# KiCad board BB3plus CM5 STM32H7 module.kicad_pcb (continued)
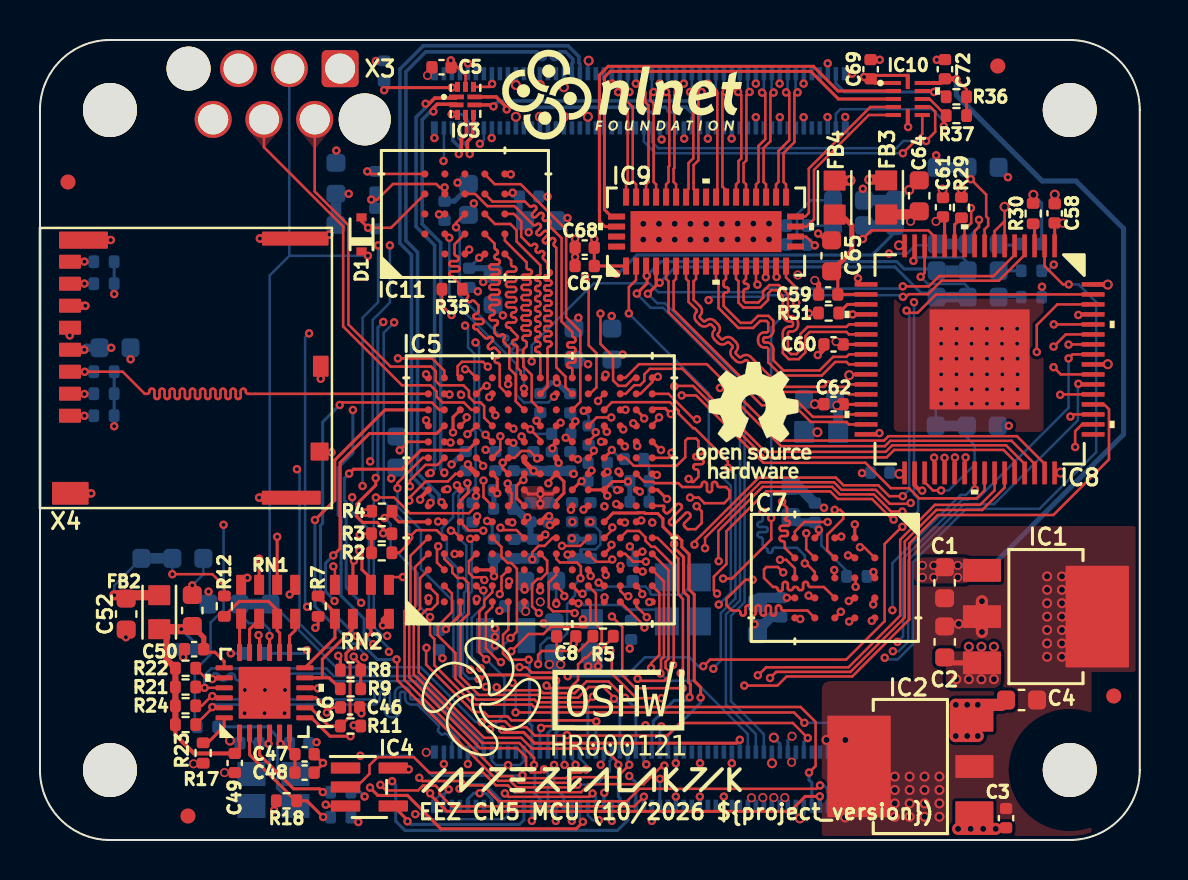
[diagram p0: board, top side]
## Footprints (pads in the part's own frame, mm; a bottom-side part is the same pattern mirrored in y, then rotated) (continued)
TQFN-10
  rect 0.75x0.236 smd: 1(-0.45,0.2)
  rect 0.7x0.236 smd: 2(-0.45,-0.2) 6(0.45,-0.2) 7(0.45,0.2)
  rect 0.25x0.5 smd: 3(-0.4,-0.7) 4(0,-0.7) 5(0.4,-0.7) 8(0.4,0.7) 9(0,0.7) 10(-0.4,0.7)
WR-WST_490107670612_DEBUG_no frame
  round 2.2 hole 2.2 unplated: (-7.58,0)
  round 2.6 hole 2.6 unplated: (1.23,-2.54)
  rrect 1.85x1.85 hole 1.5: 1(0,0)
  round 1.85 hole 1.5: 2(-1.27,-2.54) 3(-2.54,0) 4(-3.81,-2.54) 5(-5.08,0) 6(-6.35,-2.54)
XQFN12_SOT1174-1_NEX-L
  rect 0.762x0.203 smd: 1(-0.724,0.8) 2(-0.724,0.4) 3(-0.724,0) 4(-0.724,-0.4) 5(-0.724,-0.8) 7(0.724,-0.8) 8(0.724,-0.4) 9(0.724,0) 10(0.724,0.4) 11(0.724,0.8)
  rect 0.203x0.762 smd: 6(0,-0.876) 12(0,0.876)
XTAL_403C11A24M00000
  rect 1.2x1.4 smd: 1(-0.8,1.1) 2(-0.8,-1.1) 3(0.8,-1.1) 4(0.8,1.1)

## Nets
+1V8: C4.2 C34.1 C35.1 C36.1 C37.1 C38.1 C39.1 C40.1 C41.1 C42.1 C54.1 C55.1 C56.1 C57.1 C70.1 C71.1 C73.1 C74.1 C75.1 C76.1 IC2.3 IC5.H12 IC5.J11 IC5.K12 IC5.L8 IC5.L10 IC5.M8 IC5.M10 IC7.D1 IC7.E4 IC11.B4 IC11.D1 IC11.E4 R19.2 R34.2 R35.2 R38.2 X1.88 X1.90
+3V3: C2.2 C3.1 C5.2 C9.1 C10.1 C11.1 C13.1 C14.1 C17.1 C18.1 C20.1 C21.1 C23.1 C25.1 C26.1 C29.1 C30.1 C32.1 C33.1 C45.2 C46.1 C52.1 C67.1 C68.1 C69.2 FB1.2 FB2.1 FB3.2 FB4.2 FB5.2 IC1.3 IC2.1 IC3.9 IC4.5 IC5.D9 IC5.F7 IC5.F8 IC5.F9 IC5.F10 IC5.G6 IC5.H6 IC5.H10 IC5.J6 IC5.K5 IC5.K6 IC5.K8 IC5.K10 IC5.L9 IC6.9 IC9.1 IC9.16 IC10.1 IC10.12 JP1.NO JP4.NC JP8.NO JP9.NO JP10.NO R2.2 R3.2 R5.2 R7.2 R8.1 R9.2 R10.1 R11.2 R13.1 R14.1 R15.1 R16.1 R28.2 R29.1 R30.2 R32.2 R33.2 X1.84 X1.86 X4.4
+5V: C1.2 C72.2 IC1.1 IC10.11 R36.2 R37.2 X1.77 X1.79 X1.81 X1.83 X1.85 X1.87
/DVID converter, NOR Flash/1V8_RST: D1.A IC11.A4 R34.1
/DVID converter, NOR Flash/DVDD: C58.1 C61.1 C63.1 C64.1 FB3.1 IC8.1 IC8.12 IC8.33
/DVID converter, NOR Flash/PVDD: C59.1 C65.2 FB4.1 IC8.18
/Ethernet PHY, PSRAM, SDcard/+3V3_LAN: C49.1 C50.1 C51.1 C53.2 FB2.2 IC6.1 IC6.19 R21.1 R22.1 R23.1 R24.2
/STM32H7 MCU/VDD_SDC: C15.2 C16.1 C19.1 C22.1 C27.1 C28.2 IC5.D8 IC5.E6 IC5.F11 IC5.G2 IC5.G7 IC5.G9 IC5.J7 IC5.J9 IC5.K11 IC5.L7 L1.1
/STM32H7 MCU/VDDSMPS: C12.2 FB1.1 IC5.H1
GND: C1.1 C2.1 C3.2 C4.1 C5.1 C6.1 C7.1 C8.2 C9.2 C10.2 C11.2 C12.1 C13.2 C14.2 C15.1 C16.2 C17.2 C18.2 C19.2 C20.2 C21.2 C22.2 C23.2 C24.2 C25.2 C26.2 C27.2 C28.1 C31.2 C34.2 C35.2 C36.2 C37.2 C38.2 C39.2 C40.2 C41.2 C42.2 C43.1 C44.1 C45.1 C46.2 C47.2 C48.1 C49.2 C50.2 C51.2 C52.2 C53.1 C54.2 C55.2 C56.2 C57.2 C58.2 C59.2 C60.2 C61.2 C62.2 C63.2 C64.2 C65.1 C66.1 C67.2 C68.2 C69.1 C70.2 C71.2 C72.1 C73.2 C74.2 C75.2 C76.2 IC1.2 IC1.4 IC2.2 IC2.4 IC3.3 IC3.8 IC4.3 IC5.A1 IC5.A8 IC5.A11 IC5.A15 IC5.D3 IC5.D6 IC5.E3 IC5.E8 IC5.E9 IC5.F6 IC5.F15 IC5.G8 IC5.G10 IC5.G12 IC5.H2 IC5.H7 IC5.H8 IC5.H9 IC5.H11 IC5.J1 IC5.J8 IC5.J10 IC5.J12 IC5.J15 IC5.K7 IC5.K9 IC5.L6 IC5.L11 IC5.L13 IC5.M7 IC5.M9 IC5.M15 IC5.N8 IC5.N13 IC5.P14 IC5.R1 IC5.R6 IC5.R9 IC5.R12 IC5.R15 IC6.25 IC7.C1 IC7.E5 IC8.6 IC8.7 IC8.16 IC8.17 IC8.20 IC8.26 IC8.32 IC8.34 IC8.48 IC8.56 IC8.64 IC8.65 IC9.43 IC10.6 IC11.B3 IC11.C1 IC11.E5 JP1.NC JP4.NO JP8.NC JP9.NC JP10.NC NT1.1 NT2.1 R4.2 R6.2 R17.2 R18.2 R26.2 R27.2 X1.1 X1.2 X1.7 X1.8 X1.13 X1.14 X1.22 X1.23 X1.32 X1.33 X1.42 X1.43 X1.52 X1.53 X1.59 X1.60 X1.65 X1.66 X1.71 X1.74 X1.89 X1.91 X1.98 X1.SH X2.107 X2.108 X2.113 X2.114 X2.119 X2.120 X2.125 X2.126 X2.131 X2.132 X2.137 X2.138 X2.144 X2.150 X2.155 X2.156 X2.161 X2.162 X2.167 X2.168 X2.173 X2.174 X2.179 X2.180 X2.185 X2.186 X2.191 X2.192 X2.197 X2.198 X2.SH X3.5 X4.6 X4.SH X4.SW2
+VAUX: C31.1 IC5.C1 X1.76
/CM5 socket/USB2+: IC3.5 X2.105
/CM5 socket/USB2-: IC3.4 X2.103
/CM5 socket/USB3_1_D+: IC3.7 X2.163
/CM5 socket/USB3_1_D-: IC3.6 X2.165
/DVID converter, NOR Flash/TVDD: C60.1 C62.1 C66.2 FB5.1 IC8.23 IC8.29 R31.2
/DVID converter, NOR Flash/TX0+: IC8.25 IC9.10
/DVID converter, NOR Flash/TX0-: IC8.24 IC9.11
/DVID converter, NOR Flash/TX1+: IC8.28 IC9.7
/DVID converter, NOR Flash/TX1-: IC8.27 IC9.8
/DVID converter, NOR Flash/TX2+: IC8.31 IC9.5
/DVID converter, NOR Flash/TX2-: IC8.30 IC9.6
/DVID converter, NOR Flash/TXC+: IC8.22 IC9.12
/DVID converter, NOR Flash/TXC-: IC8.21 IC9.13
/STM32H7 MCU/JTAG_SWCLK: IC5.D13 X3.4
/STM32H7 MCU/JTAG_SWDIO: IC5.E12 X3.2
/STM32H7 MCU/RCC_OSC_IN: C6.2 IC5.K1 Y1.1
/STM32H7 MCU/RCC_OSC_OUT: C7.2 IC5.K2 Y1.3
/STM32H7 MCU/VLXSMPS: C24.1 IC5.G1 L1.2
/STM32H7 MCU/~{ACTIVE}: IC4.2 IC5.R5
BOOT0: IC5.A6 R4.1 X1.93
DIB1/DIB3_MISO: IC5.L2 X1.28
DIB1/DIB3_MOSI: IC5.L3 X1.55
DIB1/DIB3_SCLK: IC5.C14 X1.51
DIB2/DIB5_MISO: IC5.B12 X1.40
DIB2/DIB5_MOSI: IC5.A13 X1.44
DIB2/DIB5_SCLK: IC5.B2 X1.38
DIB4_MISO: IC5.C8 X1.34
DIB4_MOSI: IC5.C7 X1.30
DIB4_SCLK: IC5.N5 X1.37
DIB_OE_SYNC: IC5.A5 X1.48
DIN2: IC5.B10 X1.97
DVID_CEC: IC5.E5 IC9.15
DVID_HPD: IC5.E11 IC9.14 JP11.NC
ETH_CLK: IC5.E7 JP3.1
ETH_CRS_DV: IC5.M4 RN2.3
ETH_MDC: IC5.L1 RN1.1
ETH_MDIO: IC5.L4 RN2.4
ETH_REF_CLK: IC5.B6 RN1.2
ETH_RX_ERR: IC5.P15 IC6.10 R6.1
ETH_RXD0: IC5.L5 RN2.2
ETH_RXD1: IC5.N3 RN2.1
ETH_TX_EN: IC5.F3 IC6.16
ETH_TXD0: IC5.G5 RN1.3
ETH_TXD1: IC5.D4 RN1.4
ETH_TXRX_A+: IC6.21 R21.2 X1.12
ETH_TXRX_A-: IC6.20 R22.2 X1.10
ETH_TXRX_B+: IC6.23 R23.2 X1.4
ETH_TXRX_B-: IC6.22 R24.1 X1.6
GPIO_VREF: IC5.R3 X1.78
LTDC_B0: IC5.M5 IC8.63
LTDC_B1: IC5.A12 IC8.62
LTDC_B2: IC5.N4 IC8.61
LTDC_B3: IC5.C15 IC8.60
LTDC_B4: IC5.E13 IC8.59
LTDC_B5: IC5.D14 IC8.58
LTDC_B6: IC5.F12 IC8.55
LTDC_B7: IC5.P1 IC8.54
LTDC_CLK: IC5.N2 IC8.57
LTDC_DE: IC5.N1 IC8.2
LTDC_G0: IC5.P4 IC8.53
LTDC_G1: IC5.F2 IC8.52
LTDC_G2: IC5.M2 IC8.51
LTDC_G3: IC5.M1 IC8.50
LTDC_G4: IC5.N15 IC8.47
LTDC_G5: IC5.L12 IC8.46
LTDC_G6: IC5.N14 IC8.45
LTDC_G7: IC5.M14 IC8.44
LTDC_HSYNC: IC5.C6 IC8.4
LTDC_R0: IC5.J2 IC8.43
LTDC_R1: IC5.J3 IC8.42
LTDC_R2: IC5.B3 IC8.41
LTDC_R3: IC5.M3 IC8.40
LTDC_R4: IC5.C4 IC8.39
LTDC_R5: IC5.G11 IC8.38
LTDC_R6: IC5.E10 IC8.37
LTDC_R7: IC5.B11 IC8.36
LTDC_VSYNC: IC5.C12 IC8.5
MCU_USB_ID: IC5.B8 X2.101
MCU_USB_VBUS: IC5.C9 X2.111
REAR_DVID_CEC: IC10.7 X2.151
REAR_DVID_CLK_N: IC9.22 X2.190
REAR_DVID_CLK_P: IC9.23 X2.188
REAR_DVID_HPD: IC10.8 X2.153
REAR_DVID_SCL: IC10.10 R36.1 X2.200
REAR_DVID_SDA: IC10.9 R37.1 X2.199
REAR_DVID_TX0_N: IC9.24 X2.184
REAR_DVID_TX0_P: IC9.25 X2.182
REAR_DVID_TX1_N: IC9.26 X2.178
REAR_DVID_TX1_P: IC9.27 X2.176
REAR_DVID_TX2_N: IC9.28 X2.172
REAR_DVID_TX2_P: IC9.29 X2.170
RS485_RX/DIN3: IC5.C13 X1.35
RS485_TX/DOUT3: IC5.B13 X1.36
RS485_TX_EN/DOUT2: IC5.M13 X1.29
RTC_CM5: IC5.D2 X1.100
SCL: IC5.C5 IC9.3 JP6.NC R3.1 X1.80
SDA: IC5.B5 IC9.4 JP7.NC R2.1 X1.82
SDMMC_CLK: IC5.D12 X4.5
SDMMC_CMD: IC5.A14 R16.2 X4.3
SDMMC_D0: IC5.D15 R14.2 X4.7
SDMMC_D1: IC5.E14 R15.2 X4.8
SDMMC_D2: IC5.B14 R10.2 X4.1
SDMMC_D3: IC5.B15 R13.2 X4.2
TFT_DVID_CLK_N: IC9.31 X2.166
TFT_DVID_CLK_P: IC9.32 X2.164
TFT_DVID_TX0_N: IC9.33 X2.160
TFT_DVID_TX0_P: IC9.34 X2.158
TFT_DVID_TX1_N: IC9.35 X2.154
TFT_DVID_TX1_P: IC9.36 X2.152
TFT_DVID_TX2_N: IC9.37 X2.148
TFT_DVID_TX2_P: IC9.38 X2.146
UART_RX/DIN1: IC5.M6 X1.58
UART_TX/DOUT1: IC5.H4 X1.56
USB_FS_D+: IC5.B7 X2.134
USB_FS_D-: IC5.A7 X2.136
USB_HS_D+: IC3.1 IC5.A9
USB_HS_D-: IC3.2 IC5.B9
USB_HS_SEL: IC3.10 IC5.L14 R1.2
VMUX_EN: IC5.P2 IC9.2
VMUX_SEL: IC5.P3 IC9.17
XSPI_M_P1_CLK: IC5.R10 IC7.B2
XSPI_M_P1_DQS0: IC5.N11 IC7.C3
XSPI_M_P1_DQS1: IC5.M11 IC7.B3
XSPIM_P1_IO0: IC5.P11 IC7.D3
XSPIM_P1_IO1: IC5.N12 IC7.D2
XSPIM_P1_IO2: IC5.N9 IC7.C4
XSPIM_P1_IO3: IC5.P9 IC7.D4
XSPIM_P1_IO4: IC5.R8 IC7.D5
XSPIM_P1_IO5: IC5.N10 IC7.E3
XSPIM_P1_IO6: IC5.R11 IC7.E2
XSPIM_P1_IO7: IC5.P12 IC7.E1
XSPIM_P1_IO8: IC5.P13 IC7.C2
XSPIM_P1_IO9: IC5.R14 IC7.B1
XSPIM_P1_IO10: IC5.M12 IC7.A2
XSPIM_P1_IO11: IC5.P6 IC7.A4
XSPIM_P1_IO12: IC5.N6 IC7.A5
XSPIM_P1_IO13: IC5.R7 IC7.B4
XSPIM_P1_IO14: IC5.N7 IC7.B5
XSPIM_P1_IO15: IC5.P8 IC7.C5
XSPIM_P2_CLK: IC5.J14 IC11.B2
XSPIM_P2_DQS0: IC5.G14 IC11.C3
XSPIM_P2_IO0: IC5.H15 IC11.D3
XSPIM_P2_IO1: IC5.G13 IC11.D2
XSPIM_P2_IO2: IC5.K14 IC11.C4
XSPIM_P2_IO3: IC5.K15 IC11.D4
XSPIM_P2_IO4: IC5.K13 IC11.D5
XSPIM_P2_IO5: IC5.H14 IC11.E3
XSPIM_P2_IO6: IC5.H13 IC11.E2
XSPIM_P2_IO7: IC5.G15 IC11.E1
~{DIB1_CSA}: IC5.D5 X1.31
~{DIB1_IRQ}: IC5.R2 X1.26
~{DIB2_CSA}: IC5.E2 X1.39
~{DIB2_IRQ}: IC5.A4 X1.27
~{DIB3_CSA}: IC5.A10 X1.50
~{DIB3_IRQ}: IC5.A3 X1.25
~{DIB4_CSA}: IC5.H5 X1.54
~{DIB4_IRQ}: IC5.B4 X1.46
~{DIB5_CSA}: IC5.E1 X1.49
~{DIB5_IRQ}: IC5.D7 X1.47
~{ETH_LINK100}: R25.2 X1.17
~{ETH_LINK_ACT}: R20.2 X1.15
~{ETH_RESET}: IC5.D1 JP2.NO
~{LED_ACT}: IC4.4 X1.21
~{LED_PWR}: IC5.D11 X1.95
~{RESET_OUT}: C8.1 D1.C IC5.J4 JP2.NC JP5.NC R5.1 X1.92 X3.3
~{SD_DETECT}: IC5.D10 X4.SW1
~{SYSMCU_CS}: IC5.F1 X1.24
~{SYSMCU_IRQ}: IC5.A2 X1.45
~{TFT_IRQ}: IC5.R4 X1.41
~{XSPI_M_P1_CS}: IC5.R13 IC7.A3 R19.1
~{XSPIM_P2_CS1}: IC5.F14 IC11.C2 R35.1
Net-(IC5C-VREFM): C30.2 C33.2 IC5.K4 NT2.2
Net-(IC5C-VSSA): C29.2 C32.2 IC5.J5 NT1.2
Net-(IC6-CRS_DV/MODE2): IC6.11 R9.1 RN2.6
Net-(IC6-LED1/NINT/NPME/REGOFF): IC6.3 R20.1
Net-(IC6-LED2/NINT/NPME/NINTSEL): IC6.2 R18.1 R25.1
Net-(IC6-MDC): IC6.13 RN1.8
Net-(IC6-MDIO): IC6.12 R7.1 RN2.5
Net-(IC6-NINT/REFCLKO): IC6.14 R12.1 RN1.7
Net-(IC6-NRST): IC6.15 JP2.COM
Net-(IC6-RBIAS): IC6.24 R17.1
Net-(IC6-RXD0/MODE0): IC6.8 R11.1 RN2.7
Net-(IC6-RXD1/MODE1): IC6.7 R8.2 RN2.8
Net-(IC6-TXD0): IC6.17 RN1.6
Net-(IC6-TXD1): IC6.18 RN1.5
Net-(IC6-VDDCR): C47.1 C48.2 IC6.6
Net-(IC6-XTAL1/CLKIN): C44.2 IC6.5 JP3.2 Y2.3
Net-(IC6-XTAL2): C43.2 IC6.4 Y2.1
Net-(IC8-BSEL/SCL): IC8.15 JP6.COM
Net-(IC8-CTL1/A1/DK1): IC8.8 JP10.COM
Net-(IC8-DKEN): IC8.35 JP9.COM
Net-(IC8-DSEL/SDA): IC8.14 JP7.COM
Net-(IC8-EDGE/HTPLG): IC8.9 JP11.COM
Net-(IC8-ISEL/~{RST}): IC8.13 JP5.COM
Net-(IC8-MSEN/PO1): IC8.11 R29.2
Net-(IC8-TFADJ): IC8.19 R31.1
Net-(IC8-VREF): IC8.3 R30.1
Net-(IC8-~{PD}): IC8.10 JP8.COM
Net-(IC9-HPD_A): IC9.19 R33.1
Net-(IC10-A1): IC9.40 IC10.2
Net-(IC10-A2): IC9.39 IC10.3
Net-(IC10-A3): IC9.21 IC10.4
Net-(IC10-A4): IC9.20 IC10.5
Net-(IC11-~{ECS}): IC11.A5 R38.1
Net-(JP1-PadCOM): JP1.COM R1.1
Net-(JP4-PadCOM): JP4.COM R12.2
Net-(JP5-PadNO): JP5.NO R26.1
Net-(JP6-PadNO): JP6.NO R27.1
Net-(JP7-PadNO): JP7.NO R28.1
Net-(JP11-PadNO): JP11.NO R32.1

Pads without a net: IC4 1; IC5 B1 C2 C3 C10 C11 E4 E15 F4 F5 F13 G3 G4 H3 J13 K3 L15 P5 P7 P10; IC8 49; IC9 9 18 30 41 42; IC11 A2 A3 B1 B5 C5; X1 3 5 9 11 16 18 19 20 57 61 62 63 64 67 68 69 70 72 73 75 94 96 99; X2 102 104 106 109 110 112 115 116 117 118 121 122 123 124 127 128 129 130 133 135 139 140 141 142 143 145 147 149 157 159 169 171 175 177 181 183 187 189 193 194 195 196; X3 1 6; Y1 2 4; Y2 2 4

## Via types
v1: diameter 0.42, hole 0.2, Top to Bottom, 599 vias
v2: diameter 0.5, hole 0.3, Top to Bottom, 93 vias
v3: diameter 0.45, hole 0.3, Top to Bottom, 33 vias

## Routing (per net, layer and track width the routed paths; a pad name or vN(x,y) marks a point on that pad's centre or on a via; arc(x,y) is an arc through that point)
+1V8: length 37.9
  Top w0.127: IC11.B4 20.24,32.32 v1(20.24,32.63) 19.99,32.63 19.82,32.8 17.65,32.8 16.87,32.02 v1(16.57,32.02) ; v1(20.58,26.25) 20.11,26.72 R35.2
  Top w0.152: IC7.D1 38.95,15.31 v1(38.95,15.51) ; IC7.E4 37.36,12.11 v1(37.35,12.11) ; v1(25.62,19.59) 25.62,19.71 IC5.J11 ; IC11.E4 23.58,32.3 v1(23.64,32.36) ; IC5.L8 IC5.M8 ; IC5.M8 28.64,17.93 v1(29.41,17.93) ; IC5.M8 28.22,17.37 v1(28.37,17.22) ; v1(26.78,20.94) 26.78,20.86 IC5.K12 ; v1(24.83,20.97) 24.83,20.9 IC5.H12 ; IC11.D1 22.06,29.11 v1(21.97,29.11) ; v1(27.7,19.47) 27.7,19.39 IC5.L10 ; v1(28.6,19.5) 28.6,19.48 IC5.M10
  Top w0.61: v3(46.9,5.2) v3(45.8,5.2) 45.8,5.2 v3(45.8,6.76) v3(46.9,6.76) 48.07,6.76 C4.2 ; 46.93,5.78 IC2.3
  Bottom w0.127: v1(28.6,19.5) 29.05,19.05 C39.1 ; v1(16.57,32.02) 16.79,32.02 ; 20.23,32.63 v1(20.24,32.63) ; v1(38.95,15.51) 39.08,15.39 39.08,14.72 40.32,13.48 40.32,13.13
  Bottom w0.152: R38.2 16.79,31.58 R34.2 ; v1(24.83,20.97) 24.9,20.97 25.02,21.08 C35.1 ; v1(37.35,12.11) 36.87,12.11 ; v1(21.97,29.11) 21.47,28.61 C75.1 ; C36.1 27.7,19.49 v1(27.7,19.47) ; 37.8,4.58 37.8,4.1 v3(37.59,3.89) ; v1(27.41,23.79) 27.18,24.03 C42.1 ; v1(25.62,19.59) 25.65,19.56 25.65,19.47 C40.1 ; v1(23.64,32.36) 23.64,32.17 23.64,32.17 C73.1 ; 37.4,4.58 37.4,4.98 v3(37.61,5.19) ; v1(28.6,19.5) 28.6,19.5 28.6,19.51 ; v1(26.78,20.94) 26.66,20.94 26.52,21.08 C38.1 ; C41.1 28.9,24.03 v1(29.14,24.27) ; C54.1 38.75,15.61 38.84,15.51 v1(38.95,15.51)
  Bottom w0.254: 29.5,17.02 C37.1 ; C70.1 20.73,31.94 21.43,32.64 C71.1
  Bottom w0.305: C70.1 20.23,32.63 ; C73.1 23.99,31.24 C74.1 ; C75.1 22.38,28.59 C76.1
  Bottom w0.406: C55.1 37.83,15.89 C54.1
  Bottom w0.508: 36.87,12.11 35.96,12.11 35.68,11.84
  vias: v1(20.88,32.87) v1(22.17,27.9) v1(24.44,30.39) v3(46.37,6.76) v3(46.37,5.2)
+3V3: length 61.5
  Top w0.127: v1(27.91,8.69) 27.91,9.38 28.67,10.14 R5.2 ; IC3.9 21.28,38.24 v1(20.54,38.98) ; v1(24.86,19.08) 24.49,19.45 24.08,19.45 23.73,19.11 IC5.F10 23.18,18.87 v1(23.14,18.87) ; 25.46,15.61 25.47,15.62 25.47,15.67 25.47,15.68 25.48,15.69 25.48,15.69 25.48,15.7 25.48,15.71 25.49,15.72 25.49,15.73 25.5,15.74 v1(25.5,15.74) ; IC5.F8 23.58,17.35 23.58,16.87 IC5.F7
  Top w0.152: IC10.12 43.38,37.94 43.38,38.21 43.36,38.23 41.76,38.23 41.59,38.06 41.13,38.06 ; v1(27.09,17.94) 27.05,17.94 IC5.K8 ; v1(15.99,15.26) 16.04,15.31 R3.2 16.58,14.37 ; IC5.F8 23.42,17.79 v1(23.39,17.82) ; IC5.G6 24.4,16.08 24.4,16.11 v1(24.38,16.13) ; C46.1 14.61,6.63 v1(14.35,6.37) 14.35,6.56 13.8,7.11 IC6.9 ; IC5.H10 25.01,19.12 24.9,19.12 v1(24.86,19.08) ; R9.2 R8.1 16.04,8.76 15.69,9.11 v1(15.69,9.17) ; IC5.F9 23.14,18.59 v1(23.14,18.87) ; IC9.16 36.84,28.67 ; IC5.K5 26.62,15.1 v1(26.6,15.08) ; IC4.5 18.37,3.6 v1(18.44,3.53) ; IC9.1 29.31,28.7 C67.1 C68.1 v1(27.72,30.04) ; v1(26.9,19.03) 26.83,19.11 IC5.K10 ; v1(13.77,10.61) 13.91,10.75 R7.2 ; IC5.L9 27.58,18.47 v1(27.58,18.47) ; 21.4,18.72 v1(21.4,18.78)
  Top w0.203: 42.78,37.85 41.8,37.85 41.59,38.06 ; v1(25.46,16.19) 25.31,16.19 IC5.H6 ; v1(25.5,15.74) 25.49,15.73 25.49,15.72 25.49,15.71 25.48,15.71 25.48,15.7 25.48,15.69 25.47,15.68 25.47,15.67 25.47,15.67 25.47,15.66 25.47,15.66 25.57,15.66 IC5.J6
  Top w0.254: IC5.D9 21.4,18.72 ; IC1.3 45.52,8.86 C2.2
  Top w0.406: X4.4 v1(2.21,24.51)
  Top w0.508: v2(41.48,33.02) 42.28,33.02 FB3.2 ; v2(40.52,32.98) 40.51,32.97 FB4.2 ; v1(3.72,12.24) FB2.1
  Top w0.61: v2(45.92,0.56) v2(47.8,0.56)
  In2signal.Cu w0.152: 36.87,28.2 36.84,28.17 v1(36.84,28.16)
  Bottom w0.127: R33.2 37.86,30.29 37.86,31.28 38.57,31.99 JP8.NO 39.66,32.21 40.43,32.98 v2(40.52,32.98) ; v1(3.72,12.24) 3.72,12.73 JP4.NC ; C17.1 23.08,18.46 23.14,18.52 v1(23.14,18.87) ; 50.09,27.35 50.1,27.35 50.11,27.36 v1(50.11,27.66) ; v1(48.41,33.14) 47.93,33.62 47.93,33.64 ; 17.83,18.37 17.83,18.25 17.67,18.09 17.57,18.09 v1(17.57,18.08) ; JP9.NO v1(48.45,20.71)
  Bottom w0.152: v1(3.71,27.3) R14.1 R15.1 ; 14.8,34.22 14.8,34.45 v1(14.82,34.47) ; v2(38.88,20.39) 38.87,20.4 FB5.2 ; R16.1 R10.1 3.71,20.7 3.7,20.69 ; v2(49.68,32.26) 50.09,31.85 50.09,29.74 ; C45.2 3.56,24.61 v1(3.56,24.61) ; v2(36.7,5.12) 37,4.82 37,4.58 ; 26.64,15.04 v1(26.6,15.08) ; v2(36.61,3.84) 36.6,3.85 36.6,4.58 ; C14.1 27.41,18.64 v1(27.58,18.47) ; C21.1 v1(27.09,17.94)
  Bottom w0.203: C25.1 C20.1 ; 23.75,15.05 C32.1 ; 24.65,15.03 C29.1 24.53,15.17
  Bottom w0.254: 23.64,17.57 23.64,17.5 C13.1 ; 23.64,16.65 23.63,16.66 ; C33.1 C30.1
  Bottom w0.305: 23.79,16.57 C10.1 ; C20.1 24.53,15.17 ; C32.1 24.65,15.03
  Bottom w0.406: 23.63,16.66 C13.1 ; 23.79,16.57 24.23,16.13 v1(24.38,16.13) ; v1(2.21,24.51) 2.31,24.61 C45.2
  Bottom w0.508: v1(27.42,8.69) v1(27.91,8.69)
  vias: v1(3.71,20.69) v1(15.69,5.73) v1(26.62,15.91) v1(41.21,38.15) v2(45.83,8.04) v2(46.08,32.55) v2(46.45,9.66) v2(46.45,8.04) v2(46.54,0.56) v2(47.08,9.66) v2(47.08,8.04) v2(47.17,0.56) v2(47.71,9.66) v2(47.71,8.04)
+5V: length 36.9
  Top w0.127: R37.2 46.34,37.53 v1(45.83,38.04)
  Top w0.203: 44.23,37.85 45.05,37.85 C72.2
  Top w0.254: C72.2 45.81,38.06 v1(45.83,38.04)
  Bottom w0.254: v1(45.83,38.04) 45.83,37.24 50.12,32.95 51.81,32.95 54.19,30.57 54.19,20.28 47.64,13.73 v3(45.9,13.73)
  vias: v3(35.58,2.11) v3(36.15,2.12) v3(36.7,2.12) v3(37.25,2.12) v3(44.13,13.73) v3(44.13,13.13) v3(44.7,13.73) v3(44.7,13.13) v3(45.9,13.13)
/DVID converter, NOR Flash/1V8_RST: length 4.2
  Top w0.127: IC11.A4 17.56,30.61 v1(16.41,30.61)
  Top w0.152: D1.A 16.08,30.94 v1(16.41,30.61)
/DVID converter, NOR Flash/DVDD: length 5.6
  Top w0.152: IC8.33 43,18.35 42.98,18.33 v2(42.98,18.3) ; v3(44.81,30.93) 44.93,30.93 C61.1 45.24,31.08 IC8.12 ; C58.1 50.75,29.71 IC8.1
  Top w0.508: FB3.1 43.81,31.28 C64.1
  Bottom w0.152: C63.1 42.91,18.37 v2(42.98,18.3)
  vias: v3(43.54,30.93) v3(51.17,30.84)
/DVID converter, NOR Flash/PVDD: length 6.3
  Top w0.152: 39.69,28.29 39.9,28.08 C59.1 40.16,27.27 40.16,27.28 IC8.18
  Top w0.254: C65.2 40.6,29.45 40.6,30.73 40.06,31.27 FB4.1
/Ethernet PHY, PSRAM, SDcard/+3V3_LAN: length 16.6
  Top w0.152: IC6.19 9.21,8.93 8.75,9.39 8.19,9.39 ; 6.52,10.41 6.65,10.54 ; v1(7.07,10.54) 7.12,10.59 7.65,10.59 ; 9.98,4.32 IC6.1
  Top w0.203: R23.1 6.77,5.26 7.7,4.33 C49.1
  Top w0.254: C51.1 8.19,10.13 C50.1
  Top w0.305: R23.1 R22.1 6.33,9.03 6.33,10.18 FB2.2
  Top w0.508: 7.57,10.54 FB2.2
  Bottom w0.152: v1(7.07,10.54) 7.74,9.87 C53.2 7.71,9.53
/STM32H7 MCU/VDD_SDC: length 9.2
  Top w0.127: IC5.G2 24.29,12.64 24.29,12.57 v1(24.23,12.52)
  Top w0.152: v1(22.36,15.95) 22.58,15.95 IC5.E6 ; IC5.G9 24.22,18.1 24.18,18.06 24.18,18 v1(24.18,18) 24.16,18.02 24.15,18.02 23.84,17.71 23.84,17.09 IC5.G7 ; v1(23.68,19.86) 23.68,19.9 23.67,19.91 IC5.F11 ; 27.39,16.68 IC5.L7 27.23,16.52 v1(27.18,16.52) ; IC5.D8 21.82,17.21 v1(21.8,17.2) ; v1(25.43,17.84) 25.43,17.91 IC5.J9 26.2,17.92 26.2,17.35 25.82,16.96 IC5.J7 ; IC5.K11 26.42,20.11 v1(26.29,20.11)
  Bottom w0.127: L1.1 22.39,10.22 v1(22.75,10.58)
  Bottom w0.152: v1(21.8,17.2) 21.8,17.2 21.68,17.2 ; v1(22.36,15.95) 22.62,15.69 22.62,15.22 22.8,15.04
  Bottom w0.508: v1(22.75,9.72) v1(22.75,10.58)
  vias: v1(22.75,10.15)
/STM32H7 MCU/VDDSMPS: length 0.8
  Bottom w0.127: 25.73,10.89 25.24,10.89 v1(25.18,10.83) ; v1(27.15,11.03) 27.16,11.02 27.35,11.02 27.37,11.04
  vias: v3(25.02,11.91)
GND: length 111.6
  Top w0.127: IC11.B3 19.98,31.3 v1(19.96,31.28) ; v1(22.71,13.19) 22.71,13.42 IC5.E3 ; 53.5,27.78 53.51,27.77 ; IC5.R15 30.62,22.9 30.03,22.31 IC5.P14 ; IC3.8 22.46,37.66 v1(22.61,37.8) ; IC8.6 48.24,30.94 ; 48.24,30.94 47.74,30.44 IC8.7 ; 48.24,30.94 48.24,31.64 48.26,31.66 48.23,31.63 48.13,31.63 ; IC5.J10 25.82,18.97 v1(25.94,18.85) ; IC5.L11 27.79,20.28 v1(27.79,20.39) ; IC5.H7 v1(25.02,16.82) v1(25.02,17.3) ; IC5.R9 30.79,18.31 v1(30.85,18.25) ; IC5.M7 28.22,16.69 v1(28.23,16.68) ; 39.59,29.98 39.26,29.98 v1(38.92,30.32) ; IC5.M15 28.22,23.2 v1(28.28,23.26) ; IC5.H9 24.84,18.31 v1(24.69,18.46) ; 43.5,35.69 43.46,35.65 v1(43.41,35.65) ; IC3.3 20.85,36.29 v1(20.59,36.29) ; IC5.R12 30.62,20.76 30.96,21.1 v1(30.96,21.13) ; IC5.L6 27.53,15.91 v1(27.53,15.91) ; v1(17.99,19.48) 18.41,19.91 IC5.A11 ; IC5.H11 25.02,20.03 v1(24.52,20.53) 24.34,20.71 IC5.G12 ; v1(40.91,28.08) 40.91,27.79 40.91,27.78 40.91,27.78 IC8.17 ; R18.2 11.71,1.85 v1(11.71,1.49) ; v1(27.19,21.46) 27.24,21.51 IC5.L13
  Top w0.152: v2(40.47,23.24) 40.51,23.28 IC8.26 ; v1(38.02,11.05) 37.81,11.05 IC7.E5 ; 2.27,26.71 v1(2.27,26.71) ; v1(14.29,1.77) 14.36,1.7 IC4.3 ; v1(10.96,17.12) 10.97,17.11 ; IC5.E8 22.79,17.33 v1(22.87,17.33) 22.87,18.06 IC5.E9 ; v1(40.07,15.17) 39.82,15.17 IC7.C1 ; 16.58,16.25 16.46,16.37 v1(16.27,16.37) ; 2.18,30 X4.SH ; IC5.N13 29.28,21.51 v1(29.28,21.51) ; v1(16.07,6.33) 16,6.33 15.99,6.34 C46.2 ; IC5.A15 19.31,23.22 v1(19.31,23.28) ; IC5.J8 25.62,17.31 25.22,17.31 IC5.H8 v1(25.02,17.3) 24.43,17.3 IC5.G8 ; C49.2 v3(9.23,3.37) ; C48.1 14.15,3.81 v1(14.15,3.85) C47.2 ; v2(45.95,10.81) 45.37,10.81 C2.1 ; v1(26.76,30.06) v1(26.76,29.15) C67.2 ; IC5.D3 IC5.E3 ; v1(21.86,16.18) 21.86,15.95 IC5.D6 21.82,15.85 ; v1(26.69,9.83) 26.76,9.83 26.8,9.87 C8.2 ; v1(11.71,1.49) 11.68,1.46 ; IC5.N8 28.87,17.51 v1(28.86,17.5) ; 1.52,17.33 X4.SH
  Top w0.203: v1(19.01,17.02) 19.01,17.1 IC5.A8 ; v1(44.12,17.47) 44.01,17.47 43.74,17.74 IC8.34 ; IC8.64 53.5,27.78
  Top w0.254: v1(38.9,24.25) 39.21,24.56 C60.2 ; C59.2 38.94,27.79 v3(38.75,27.98) ; IC5.G10 24.22,18.92 v1(24.69,18.46)
  Top w0.406: X4.SH v1(11,30.07) ; X4.6 2.27,26.71 ; v1(2.56,17.33) 1.52,17.33 ; v1(3.54,30) 2.18,30 ; 10.97,17.11 X4.SH
  Top w0.61: v2(47.11,10.4) IC1.2 v2(47.11,11.94)
  Bottom w0.127: v2(40.26,1.13) 40.28,1.14 X1.SH ; v3(19.32,4.38) 19.71,4.38 X1.SH ; C36.2 27.44,21.21 v1(27.19,21.46) ; X2.137 27.4,36.08 ; C25.2 25.02,16.86 ; 25.02,16.86 v1(25.02,17.3) ; 25.02,16.86 C20.2 ; v1(25.82,11.81) 25.82,12.02 25.82,12.03 25.82,12.88 ; 21.43,19.41 21.38,19.41 ; X1.SH 40.28,4.98 40.3,5 ; 22.8,14.08 22.7,13.98 ; 32.21,35.12 32.21,35.59 ; 31.01,35.59 X2.155 31,35.12 v1(31.09,35.03) ; 22.71,14.08 C27.2 ; 20.2,2.28 20.03,2.28 19.73,1.98 X1.SH ; X2.125 25,36.08 ; 29.56,9.73 29.49,9.66 v1(29.49,9.57) ; NT2.1 27.09,14.53 27.78,14.53 28.03,14.77 28.03,15.4 27.53,15.9 v1(27.53,15.91) ; C43.1 9.87,4.97 v2(9.5,4.97) ; 42.76,31.65 42.76,31.79 v2(43.47,32.5) ; C39.2 30.46,18.78 C37.2 ; v1(20.59,36.29) 21.09,36.29 21.4,35.98 X2.107 ; X2.179 v1(35.8,36.14) ; v1(29.5,14.68) 29.64,14.53 C7.1 ; X2.SH 19.73,35.14 19.75,35.12 ; v1(20.13,9.09) 20.09,9.09 19.95,9.23 C31.2 ; 21.4,19.41 21.21,19.41 ; X2.131 v2(26.2,36.16) ; 44.83,33.64 44.83,34.22 v1(44.82,34.23) ; v1(22.97,11.46) 23.01,11.46 C24.2 ; 26.57,16.66 26.57,16.53 v1(26.55,16.51) ; JP9.NC 44.8,21.55 v1(45.07,21.81) ; X1.14 22.6,3.96 22.81,3.75 v1(23.41,3.75) 24,3.75 24.2,3.95 X1.22 ; C70.2 20.23,31 v1(19.96,31.28) ; C19.2 24.74,20.31 v1(24.52,20.53) ; 22.7,13.2 v1(22.71,13.19) ; v2(36.46,30.82) 36.56,30.72 R26.2 ; 18.08,20.17 C9.2 17.99,20.04 ; v1(34.59,35.07) 34.59,35.59 X2.173 ; JP4.NO 8.17,13.28 v1(7.62,12.73) ; 23.69,18.46 C22.2 ; C17.2 22.37,19.42 v1(22.29,19.51) ; 50.63,28.84 v1(50.7,28.77) ; X2.119 23.8,36.08 ; 33.4,35.05 X2.167
  Bottom w0.152: v1(13.83,4.89) 13.79,4.85 13.68,4.85 ; X2.SH 40.28,36.14 v1(40.27,36.15) ; X1.7 21.4,2.05 21.69,2.34 v1(21.99,2.34) 22,2.33 22.31,2.33 22.6,2.04 22.6,1.5 ; v1(26.23,3.75) 26.23,3.86 26.2,3.9 26.2,4.58 ; v2(27.44,38.96) 27.4,38.92 27.4,38.5 ; 34.2,1.5 34.2,2.23 ; v1(28.59,26.2) 28.6,26.19 C41.2 ; v1(9.54,9.33) R6.2 ; v1(30.6,0.96) 30.6,1.5 ; v1(39.21,16.61) 38.98,16.84 38.75,16.84 ; 20.2,1.5 20.2,2.28 20.49,2.57 ; 21.4,3.91 21.4,4.58 ; 38.2,35.42 38.2,36.02 ; 39.4,35.42 39.4,35.73 39.39,35.74 39.4,35.75 39.4,36.02 ; v1(28.6,0.96) 28.6,1.5 ; 37,35.42 37,36.02 ; 26.75,25.5 26.75,25.98 26.88,26.11 v1(26.93,26.11) ; 35.8,38.5 35.8,38 ; v1(41.11,18.34) 41.14,18.37 C63.2 ; 31.81,2.23 31.8,2.22 31.8,1.5 ; v1(14.48,30.27) 14.8,30.59 ; X1.98 39.4,4.94 v2(39.33,5) ; 26.2,38.5 v2(26.2,37.64) ; 39.4,38.5 39.4,38.5 v1(39.4,38.83) ; v1(28.04,3.76) 28.04,3.86 28.2,4.02 28.2,4.58 ; 14.42,1.75 14.31,1.75 v1(14.29,1.77) ; 30.46,17.02 C37.2 ; v1(26.6,0.96) 26.6,1.5 ; C21.2 28.81,17.5 v1(28.86,17.5) ; C76.2 23.15,26.27 v1(23.15,26.23) ; 33,1.5 33,2.23 ; 20.2,4.58 20.2,3.86 ; 25,38.5 25,37.9 ; 33.03,3.83 33.03,3.84 33,3.87 33,4.58 ; v1(24.6,0.96) 24.6,1.5 ; 31.8,4.58 31.8,3.86 ; R27.2 50.39,28.46 v1(50.7,28.77) ; 37.8,1.5 37.8,1.28 v2(38,1.08) 38.2,1.28 38.2,1.5 ; 34.6,4.58 34.6,3.85 34.55,3.8 ; 23.8,38.5 23.8,37.9 ; 30.2,4.58 30.2,3.95 30.3,3.86
  Bottom w0.203: C75.2 21.7,27.63 v1(21.9,27.43) ; NT1.1 22.71,14.08
  Bottom w0.254: 22.68,16.65 22.7,16.67 22.7,17.55 22.68,17.57 ; 21.21,19.41 21.21,19.4 v1(20.59,18.78) ; v1(21.7,31.83) 21.7,31.53 21.43,31.26 ; C11.2 23.69,18.46 ; C38.2 26.4,22.32 v1(25.85,22.87) 25.56,22.87 C35.2 ; v1(17.99,19.48) 17.99,20.04
  Bottom w0.406: 22.7,13.98 22.7,13.2
  Bottom w0.508: 36.87,11.15 36.56,11.15 36.2,10.79 v1(35.74,10.79) ; C55.2 37.9,17.7 38.75,16.84 ; C26.2 C40.2 24.69,18.46 v1(24.69,18.46) ; v3(26.04,8.78) v3(25.48,8.78)
  vias: v1(4.3,10.14) v1(4.53,24.04) v1(7.16,9.15) v1(10.24,7.5) v1(10.23,6.34) v1(11.25,7.5) v1(11.23,6.34) v1(12.23,6.34) v1(12.25,7.5) v1(14.04,23.06) v1(19.43,12.09) v1(19.73,35.1) v1(20.2,3.8) v1(20.44,2.53) v1(21.4,38.83) v1(21.4,3.8) v1(21.47,29.52) v1(22.59,35.1) v1(23.41,22.8) v1(23.54,33.28) v1(23.62,15.88) v1(25.01,12.48) v1(25.38,32.17) v1(26.04,20.86) v1(26.38,31.1) v1(26.7,18.31) v1(28.38,18.41) v1(28.62,37.82) v1(29.8,37.82) v1(30.32,3.78) v1(30.47,11.9) v1(30.62,15.87) v1(30.9,23.16) v1(31,37.82) v1(31.8,3.84) v1(31.8,2.17) v1(32.2,37.82) v1(32.21,35.07) v1(33.01,3.84) v1(33,2.17) v1(33.4,37.82) v1(33.4,35.07) v1(34.2,2.17) v1(34.6,37.82) v1(34.6,3.84) v1(35.8,37.82) v1(36.99,37.82) v1(37,36.14) v1(38.19,37.82) v1(38.19,36.14) v1(39.39,36.15) v1(40.62,38.32) v1(40.64,26.28) v1(42,39.01) v1(41.98,20.35) v1(44.85,39.01) v1(45.07,25.57) v1(45.07,24.82) v1(45.07,24.07) v1(45.07,23.28) v1(45.07,22.53) v1(45.85,25.57) v1(45.83,24.82) v1(45.83,24.07) v1(45.83,23.28) v1(45.83,22.53) v1(45.83,21.81) v1(46.6,25.57) v1(46.59,24.82) v1(46.6,24.07) v1(46.6,23.28) v1(46.6,22.53) v1(46.6,21.81) v1(47.35,24.82) v1(47.36,25.57) v1(47.36,24.07) v1(47.36,23.28) v1(47.36,22.53) v1(47.36,21.81) v1(48.11,25.57) v1(48.11,24.82) v1(48.13,24.07) v1(48.13,23.28) v1(48.13,22.53) v1(48.13,21.81) v1(48.87,25.57) v1(48.87,24.82) v1(48.89,24.07) v1(48.89,23.28) v1(48.89,22.53) v1(48.89,21.81) v2(23.8,37.75) v2(23.8,36.16) v2(25,37.75) v2(25,36.16) v2(27.4,36.16) v2(30.17,30.81) v2(30.17,30.02) v2(30.96,30.81) v2(30.96,30.02) v2(31.74,30.81) v2(31.74,30.02) v2(32.53,30.81) v2(32.53,30.02) v2(33.32,30.81) v2(33.32,30.02) v2(34.1,30.81) v2(34.1,30.02) v2(34.89,30.82) v2(34.89,30.03) v2(35.67,30.82) v2(35.67,30.03) v2(36.46,30.03) v2(38.75,21.79) v2(40.28,5) v2(42.75,3.17) v2(42.75,2.5) v2(42.75,1.83) v2(42.75,1.16) v2(42.96,29.74) v2(43.49,3.17) v2(43.49,2.5) v2(43.49,1.83) v2(43.49,1.16) v2(44.24,3.17) v2(44.24,2.5) v2(44.24,1.83) v2(44.24,1.16) v2(44.98,3.17) v2(44.98,2.5) v2(44.98,1.83) v2(44.98,1.16) v2(45.14,32.52) v2(48.24,31.66) v2(50.37,13.18) v2(50.37,12.51) v2(50.37,11.84) v2(50.37,11.17) v2(50.37,10.5) v2(50.37,9.83) v2(50.37,9.16) v2(50.75,32.27) v2(51.04,18.37) v2(51.11,13.18) v2(51.11,12.51) v2(51.11,11.84) v2(51.11,11.17) v2(51.11,10.5) v2(51.11,9.83) v2(51.11,9.16) v2(53.4,27.77) v2(53.4,23.79) v3(7.68,3.81) v3(19.38,38.23) v3(37.89,28.25)
